# KiCad board boatcontrol.kicad_pcb (continued)
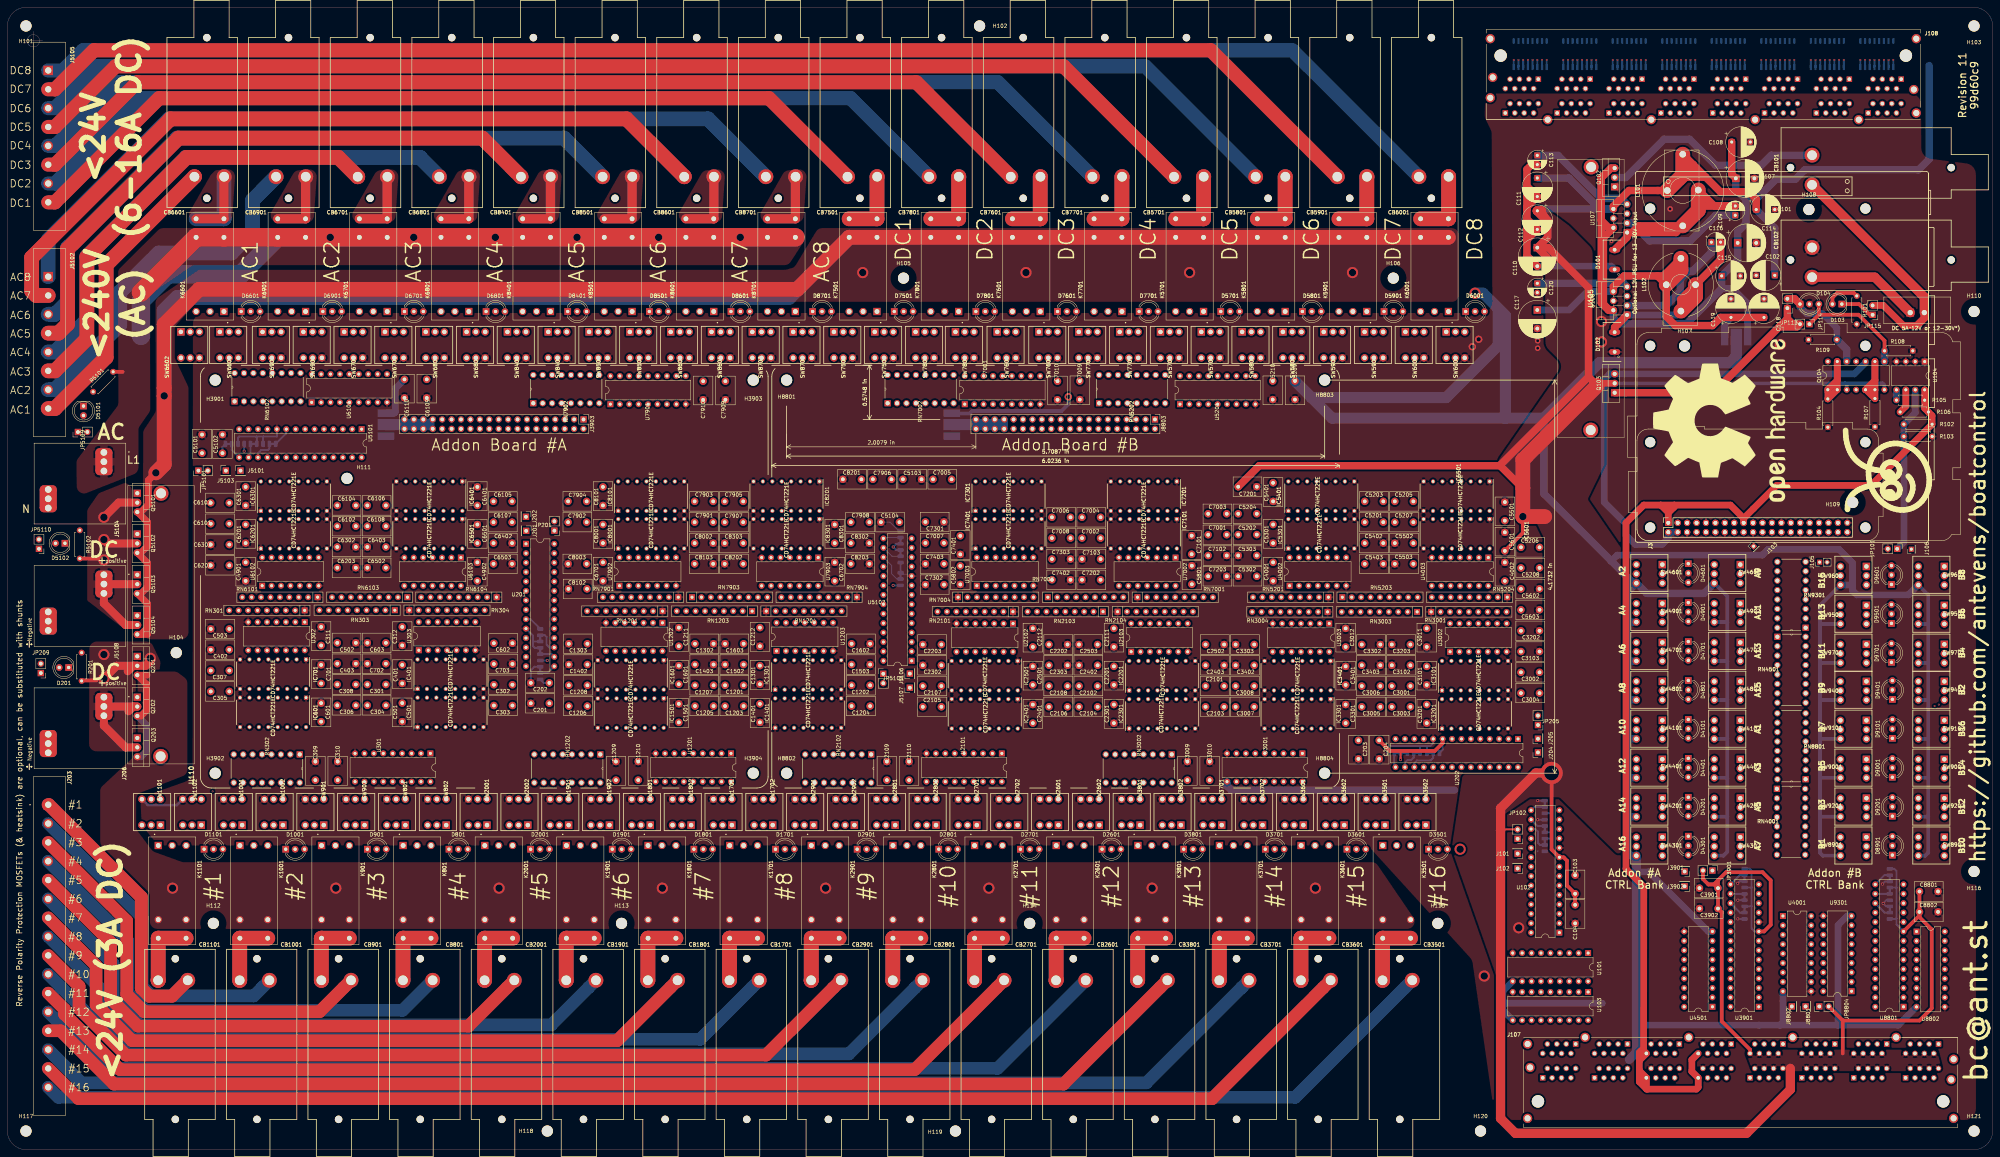
[diagram p0: board, top side]
## Nets (continued)
/Mixed 12V DC / 230V AC Common Bank/230V AC 10/16A Block/DIG_OFF_C2: RN6101.6 U5101.24 U6102.12
/Mixed 12V DC / 230V AC Common Bank/230V AC 10/16A Block/DIG_OFF_C3: RN6104.6 U5101.26 U6103.4
/Mixed 12V DC / 230V AC Common Bank/230V AC 10/16A Block/DIG_OFF_C4: RN6104.5 U5101.28 U6103.12
/Mixed 12V DC / 230V AC Common Bank/230V AC 10/16A Block/DIG_ON_C1: RN6101.9 U5101.21 U6102.1
/Mixed 12V DC / 230V AC Common Bank/230V AC 10/16A Block/DIG_ON_C2: RN6101.2 U5101.23 U6102.9
/Mixed 12V DC / 230V AC Common Bank/230V AC 10/16A Block/DIG_ON_C3: RN6104.2 U5101.25 U6103.1
/Mixed 12V DC / 230V AC Common Bank/230V AC 10/16A Block/DIG_ON_C4: RN6104.9 U5101.27 U6103.9
/Mixed 12V DC / 230V AC Common Bank/230V AC 10/16A Block/MultiVibrator10A1/MUX_OFF: IC6201.5 U6101.2
/Mixed 12V DC / 230V AC Common Bank/230V AC 10/16A Block/MultiVibrator10A1/MUX_ON: IC6201.13 U6101.1
/Mixed 12V DC / 230V AC Common Bank/230V AC 10/16A Block/MultiVibrator10A1/R1: C6101.1 IC6201.14 RN6103.9
/Mixed 12V DC / 230V AC Common Bank/230V AC 10/16A Block/MultiVibrator10A1/R2: C6102.1 IC6201.6 RN6103.8
/Mixed 12V DC / 230V AC Common Bank/230V AC 10/16A Block/MultiVibrator10A1/RC1: C6101.2 IC6201.15
/Mixed 12V DC / 230V AC Common Bank/230V AC 10/16A Block/MultiVibrator10A1/RC2: C6102.2 IC6201.7
/Mixed 12V DC / 230V AC Common Bank/230V AC 10/16A Block/MultiVibrator10A2/MUX_OFF: IC6301.5 U6101.4
/Mixed 12V DC / 230V AC Common Bank/230V AC 10/16A Block/MultiVibrator10A2/MUX_ON: IC6301.13 U6101.3
/Mixed 12V DC / 230V AC Common Bank/230V AC 10/16A Block/MultiVibrator10A2/R1: C6103.1 IC6301.14 RN6103.7
/Mixed 12V DC / 230V AC Common Bank/230V AC 10/16A Block/MultiVibrator10A2/R2: C6104.1 IC6301.6 RN6103.6
/Mixed 12V DC / 230V AC Common Bank/230V AC 10/16A Block/MultiVibrator10A2/RC1: C6103.2 IC6301.15
/Mixed 12V DC / 230V AC Common Bank/230V AC 10/16A Block/MultiVibrator10A2/RC2: C6104.2 IC6301.7
/Mixed 12V DC / 230V AC Common Bank/230V AC 10/16A Block/MultiVibrator16A1/MUX_OFF: IC6401.5 U6101.6
/Mixed 12V DC / 230V AC Common Bank/230V AC 10/16A Block/MultiVibrator16A1/MUX_ON: IC6401.13 U6101.5
/Mixed 12V DC / 230V AC Common Bank/230V AC 10/16A Block/MultiVibrator16A1/R1: C6105.1 IC6401.14 RN6103.5
/Mixed 12V DC / 230V AC Common Bank/230V AC 10/16A Block/MultiVibrator16A1/R2: C6106.1 IC6401.6 RN6103.4
/Mixed 12V DC / 230V AC Common Bank/230V AC 10/16A Block/MultiVibrator16A1/RC1: C6105.2 IC6401.15
/Mixed 12V DC / 230V AC Common Bank/230V AC 10/16A Block/MultiVibrator16A1/RC2: C6106.2 IC6401.7
/Mixed 12V DC / 230V AC Common Bank/230V AC 10/16A Block/MultiVibrator16A2/MUX_OFF: IC6501.5 U6101.8
/Mixed 12V DC / 230V AC Common Bank/230V AC 10/16A Block/MultiVibrator16A2/MUX_ON: IC6501.13 U6101.7
/Mixed 12V DC / 230V AC Common Bank/230V AC 10/16A Block/MultiVibrator16A2/R1: C6107.1 IC6501.14 RN6103.2
/Mixed 12V DC / 230V AC Common Bank/230V AC 10/16A Block/MultiVibrator16A2/R2: C6108.1 IC6501.6 RN6103.3
/Mixed 12V DC / 230V AC Common Bank/230V AC 10/16A Block/MultiVibrator16A2/RC1: C6107.2 IC6501.15
/Mixed 12V DC / 230V AC Common Bank/230V AC 10/16A Block/MultiVibrator16A2/RC2: C6108.2 IC6501.7
/Mixed 12V DC / 230V AC Common Bank/230V AC 10/16A Block/OUT_C1: CB6801.P2 J5102.5
/Mixed 12V DC / 230V AC Common Bank/230V AC 10/16A Block/OUT_C2: CB6701.P2 J5102.6
/Mixed 12V DC / 230V AC Common Bank/230V AC 10/16A Block/OUT_C3: CB6901.P2 J5102.7
/Mixed 12V DC / 230V AC Common Bank/230V AC 10/16A Block/OUT_C4: CB6601.P2 J5102.8
/RPi3.3V: J3.1 J3.17 J107.C_8 J107.D_8 J107.K_1 J107.L_1 R102.1 R105.1 R106.1 U104.8
/RPi5V: J3.2 J3.4 Q103.3 Q104.10
/RPiBCM0_ID_SD: J3.27 J107.C_3 R106.2 U104.6
/RPIBCM1_ID_SC: J3.28 J107.C_2 R105.2 U104.5
/RPiBCM4_GPCLK0: J3.7 J107.K_5
/RPiBCM5: J3.29 J107.C_4
/RPiBCM6: J3.31 J107.C_6
/RPiBCM9_MISO: J3.21 J107.D_6
/RPiBCM10_MOSI: J3.19 J107.D_4
/RPiBCM11_SCLK: J3.23 J107.C_1
/RPiBCM12: J3.32 J107.C_5
/RPiBCM13: J3.33 J107.L_8
/RPiBCM14_TXD: J3.8 J107.K_6
/RPiBCM15_RXD: J3.10 J107.K_8
/RPiBCM16: J3.36 J107.L_7
/RPiBCM17: J3.11 J107.K_7
/RPiBCM19_MISO: J3.35 J107.L_6
/RPIBCM20_MOSI: J3.38 J107.L_5
/RPiBCM21_SCLK: J3.40 J107.L_4
/RPiBCM22: J3.15 J107.D_3
/RPiBCM23: J3.16 J107.D_2
/RPiBCM25: J3.22 J107.D_5
/RPiBCM26: J3.37 J107.L_3
/RPiBCM27_PCM_D: J3.13 J107.D_1
AC: J5104.1_1 J5104.1_2 J5104.1_3 K6601.3 K6601.6 K6701.3 K6701.6 K6801.3 K6801.6 K6901.3 K6901.6 K8401.3 K8401.6 K8501.3 K8501.6 K8601.3 K8601.6 K8701.3 K8701.6 R5101.2
SCK: J3.5 J107.K_4 U102.12 U201.12 U202.12 U3901.12 U5101.12 U5102.12 U8801.12
SDA: J3.3 J107.K_3 U102.13 U201.13 U202.13 U3901.13 U5101.13 U5102.13 U8801.13
Net-(C109-Pad1): C109.1 U107.3
Net-(C109-Pad2): C109.2 D101.1 L101.1 U107.1
Net-(C110-Pad2): C110.2 C111.2 C112.2 C113.2 D101.2
Net-(C113-Pad1): C113.1 U107.7
Net-(C116-Pad1): C116.1 U108.3
Net-(C116-Pad2): C116.2 D102.1 L102.1 U108.1
Net-(C117-Pad1): C117.1 C118.1 C119.1 JP110.1 L102.2 U108.6
Net-(C120-Pad1): C120.1 U108.7
Net-(CB101-PadP2): CB101.P2 Q102.2
Net-(D103-Pad1): D103.1 JP115.1
Net-(D103-Pad2): D103.2 R101.1
Net-(D104-Pad1): D104.1 JP113.2 Q104.12 R109.2
Net-(D104-Pad3): D104.3 JP114.1 Q104.8 R108.2
Net-(D201-Pad1): D201.1 R201.1
Net-(D201-Pad2): D201.2 JP209.2
Net-(D5101-Pad1): D5101.1 R5101.1
Net-(D5101-Pad2): D5101.2 JP5109.2
Net-(D5102-Pad1): D5102.1 R5102.1
Net-(D5102-Pad2): D5102.2 JP5110.2
Net-(IC401-Pad2): IC401.2 U302.3
Net-(IC401-Pad10): IC401.10 U302.6
Net-(IC401-Pad11): IC401.4 IC401.11
Net-(IC401-Pad12): IC401.3 IC401.12
Net-(IC501-Pad2): IC501.2 U302.8
Net-(IC501-Pad10): IC501.10 U302.11
Net-(IC501-Pad11): IC501.4 IC501.11
Net-(IC501-Pad12): IC501.3 IC501.12
Net-(IC601-Pad2): IC601.2 U303.3
Net-(IC601-Pad10): IC601.10 U303.6
Net-(IC601-Pad11): IC601.4 IC601.11
Net-(IC601-Pad12): IC601.3 IC601.12
Net-(IC701-Pad2): IC701.2 U303.8
Net-(IC701-Pad10): IC701.10 U303.11
Net-(IC701-Pad11): IC701.4 IC701.11
Net-(IC701-Pad12): IC701.3 IC701.12
Net-(IC1301-Pad2): IC1301.2 U1202.3
Net-(IC1301-Pad10): IC1301.10 U1202.6
Net-(IC1301-Pad11): IC1301.4 IC1301.11
Net-(IC1301-Pad12): IC1301.3 IC1301.12
Net-(IC1401-Pad2): IC1401.2 U1202.8
Net-(IC1401-Pad10): IC1401.10 U1202.11
Net-(IC1401-Pad11): IC1401.4 IC1401.11
Net-(IC1401-Pad12): IC1401.3 IC1401.12
Net-(IC1501-Pad2): IC1501.2 U1203.3
Net-(IC1501-Pad10): IC1501.10 U1203.6
Net-(IC1501-Pad11): IC1501.4 IC1501.11
Net-(IC1501-Pad12): IC1501.3 IC1501.12
Net-(IC1601-Pad2): IC1601.2 U1203.8
Net-(IC1601-Pad10): IC1601.10 U1203.11
Net-(IC1601-Pad11): IC1601.4 IC1601.11
Net-(IC1601-Pad12): IC1601.3 IC1601.12
Net-(IC2201-Pad2): IC2201.2 U2102.3
Net-(IC2201-Pad10): IC2201.10 U2102.6
Net-(IC2201-Pad11): IC2201.4 IC2201.11
Net-(IC2201-Pad12): IC2201.3 IC2201.12
Net-(IC2301-Pad2): IC2301.2 U2102.8
Net-(IC2301-Pad10): IC2301.10 U2102.11
Net-(IC2301-Pad11): IC2301.4 IC2301.11
Net-(IC2301-Pad12): IC2301.3 IC2301.12
Net-(IC2401-Pad2): IC2401.2 U2103.3
Net-(IC2401-Pad10): IC2401.10 U2103.6
Net-(IC2401-Pad11): IC2401.4 IC2401.11
Net-(IC2401-Pad12): IC2401.3 IC2401.12
Net-(IC2501-Pad2): IC2501.2 U2103.8
Net-(IC2501-Pad10): IC2501.10 U2103.11
Net-(IC2501-Pad11): IC2501.4 IC2501.11
Net-(IC2501-Pad12): IC2501.3 IC2501.12
Net-(IC3101-Pad2): IC3101.2 U3002.3
Net-(IC3101-Pad10): IC3101.10 U3002.6
Net-(IC3101-Pad11): IC3101.4 IC3101.11
Net-(IC3101-Pad12): IC3101.3 IC3101.12
Net-(IC3201-Pad2): IC3201.2 U3002.8
Net-(IC3201-Pad10): IC3201.10 U3002.11
Net-(IC3201-Pad11): IC3201.4 IC3201.11
Net-(IC3201-Pad12): IC3201.3 IC3201.12
Net-(IC3301-Pad2): IC3301.2 U3003.3
Net-(IC3301-Pad10): IC3301.10 U3003.6
Net-(IC3301-Pad11): IC3301.4 IC3301.11
Net-(IC3301-Pad12): IC3301.3 IC3301.12
Net-(IC3401-Pad2): IC3401.2 U3003.8
Net-(IC3401-Pad10): IC3401.10 U3003.11
Net-(IC3401-Pad11): IC3401.4 IC3401.11
Net-(IC3401-Pad12): IC3401.3 IC3401.12
Net-(IC5301-Pad2): IC5301.2 U4002.3
Net-(IC5301-Pad10): IC5301.10 U4002.6
Net-(IC5301-Pad11): IC5301.4 IC5301.11
Net-(IC5301-Pad12): IC5301.3 IC5301.12
Net-(IC5401-Pad2): IC5401.2 U4002.8
Net-(IC5401-Pad10): IC5401.10 U4002.11
Net-(IC5401-Pad11): IC5401.4 IC5401.11
Net-(IC5401-Pad12): IC5401.3 IC5401.12
Net-(IC5501-Pad2): IC5501.2 U4003.3
Net-(IC5501-Pad10): IC5501.10 U4003.6
Net-(IC5501-Pad11): IC5501.4 IC5501.11
Net-(IC5501-Pad12): IC5501.3 IC5501.12
Net-(IC5601-Pad2): IC5601.2 U4003.8
Net-(IC5601-Pad10): IC5601.10 U4003.11
Net-(IC5601-Pad11): IC5601.4 IC5601.11
Net-(IC5601-Pad12): IC5601.3 IC5601.12
Net-(IC6201-Pad2): IC6201.2 U6102.3
Net-(IC6201-Pad10): IC6201.10 U6102.6
Net-(IC6201-Pad11): IC6201.4 IC6201.11
Net-(IC6201-Pad12): IC6201.3 IC6201.12
Net-(IC6301-Pad2): IC6301.2 U6102.8
Net-(IC6301-Pad10): IC6301.10 U6102.11
Net-(IC6301-Pad11): IC6301.4 IC6301.11
Net-(IC6301-Pad12): IC6301.3 IC6301.12
Net-(IC6401-Pad2): IC6401.2 U6103.3
Net-(IC6401-Pad10): IC6401.10 U6103.6
Net-(IC6401-Pad11): IC6401.4 IC6401.11
Net-(IC6401-Pad12): IC6401.3 IC6401.12
Net-(IC6501-Pad2): IC6501.2 U6103.8
Net-(IC6501-Pad10): IC6501.10 U6103.11
Net-(IC6501-Pad11): IC6501.4 IC6501.11
Net-(IC6501-Pad12): IC6501.3 IC6501.12
Net-(IC7101-Pad2): IC7101.2 U7002.3
Net-(IC7101-Pad10): IC7101.10 U7002.6
Net-(IC7101-Pad11): IC7101.4 IC7101.11
Net-(IC7101-Pad12): IC7101.3 IC7101.12
Net-(IC7201-Pad2): IC7201.2 U7002.8
Net-(IC7201-Pad10): IC7201.10 U7002.11
Net-(IC7201-Pad11): IC7201.4 IC7201.11
Net-(IC7201-Pad12): IC7201.3 IC7201.12
Net-(IC7301-Pad2): IC7301.2 U7003.3
Net-(IC7301-Pad10): IC7301.10 U7003.6
Net-(IC7301-Pad11): IC7301.4 IC7301.11
Net-(IC7301-Pad12): IC7301.3 IC7301.12
Net-(IC7401-Pad2): IC7401.2 U7003.8
Net-(IC7401-Pad10): IC7401.10 U7003.11
Net-(IC7401-Pad11): IC7401.4 IC7401.11
Net-(IC7401-Pad12): IC7401.3 IC7401.12
Net-(IC8001-Pad2): IC8001.2 U7902.3
Net-(IC8001-Pad10): IC8001.10 U7902.6
Net-(IC8001-Pad11): IC8001.4 IC8001.11
Net-(IC8001-Pad12): IC8001.3 IC8001.12
Net-(IC8101-Pad2): IC8101.2 U7902.8
Net-(IC8101-Pad10): IC8101.10 U7902.11
Net-(IC8101-Pad11): IC8101.4 IC8101.11
Net-(IC8101-Pad12): IC8101.3 IC8101.12
Net-(IC8201-Pad2): IC8201.2 U7903.3
Net-(IC8201-Pad10): IC8201.10 U7903.6
Net-(IC8201-Pad11): IC8201.4 IC8201.11
Net-(IC8201-Pad12): IC8201.3 IC8201.12
Net-(IC8301-Pad2): IC8301.2 U7903.8
Net-(IC8301-Pad10): IC8301.10 U7903.11
Net-(IC8301-Pad11): IC8301.4 IC8301.11
Net-(IC8301-Pad12): IC8301.3 IC8301.12
Net-(J101-Pad1): J101.1 U102.19
Net-(J102-Pad1): J102.1 U102.20
Net-(J103-Pad1): J3.12 J103.1
Net-(J105-Pad1): J3.24 J105.1
Net-(J105-Pad2): J3.26 J105.2
Net-(J106-Pad1): J3.18 J106.1
Net-(J107-PadA_1): J107.A_1 U101.14
Net-(J107-PadA_3): J107.A_3 U101.13
Net-(J107-PadA_5): J107.A_5 U101.12
Net-(J107-PadA_7): J107.A_7 U101.11
Net-(J107-PadB_1): J107.B_1 U101.18
Net-(J107-PadB_3): J107.B_3 U101.17
Net-(J107-PadB_5): J107.B_5 U101.16
Net-(J107-PadB_7): J107.B_7 U101.15
Net-(J107-PadI_1): J107.I_1 U103.11
Net-(J107-PadI_3): J107.I_3 U103.12
Net-(J107-PadI_5): J107.I_5 U103.13
Net-(J107-PadI_7): J107.I_7 U103.14
Net-(J107-PadJ_1): J107.J_1 U103.15
Net-(J107-PadJ_3): J107.J_3 U103.16
Net-(J107-PadJ_5): J107.J_5 U103.17
Net-(J107-PadJ_7): J107.J_7 U103.18
Net-(J108-PadA_1): J108.A_1 RN108.8
Net-(J108-PadA_3): J108.A_3 RN108.7
Net-(J108-PadA_5): J108.A_5 RN108.6
Net-(J108-PadA_7): J108.A_7 RN108.5
Net-(J108-PadB_1): J108.B_1 RN107.8
Net-(J108-PadB_3): J108.B_3 RN107.7
Net-(J108-PadB_5): J108.B_5 RN107.6
Net-(J108-PadB_7): J108.B_7 RN107.5
Net-(J108-PadC_1): J108.C_1 RN106.8
Net-(J108-PadC_3): J108.C_3 RN106.7
Net-(J108-PadC_5): J108.C_5 RN106.6
Net-(J108-PadC_7): J108.C_7 RN106.5
Net-(J108-PadD_1): J108.D_1 RN105.8
Net-(J108-PadD_3): J108.D_3 RN105.7
Net-(J108-PadD_5): J108.D_5 RN105.6
Net-(J108-PadD_7): J108.D_7 RN105.5
Net-(J108-PadE_1): J108.E_1 RN104.8
Net-(J108-PadE_3): J108.E_3 RN104.7
Net-(J108-PadE_5): J108.E_5 RN104.6
Net-(J108-PadE_7): J108.E_7 RN104.5
Net-(J108-PadF_1): J108.F_1 RN103.8
Net-(J108-PadF_3): J108.F_3 RN103.7
Net-(J108-PadF_5): J108.F_5 RN103.6
Net-(J108-PadF_7): J108.F_7 RN103.5
Net-(J108-PadG_1): J108.G_1 RN102.8
Net-(J108-PadG_3): J108.G_3 RN102.7
Net-(J108-PadG_5): J108.G_5 RN102.6
Net-(J108-PadG_7): J108.G_7 RN102.5
Net-(J108-PadH_1): J108.H_1 RN101.8
Net-(J108-PadH_3): J108.H_3 RN101.7
Net-(J108-PadH_5): J108.H_5 RN101.6
Net-(J108-PadH_7): J108.H_7 RN101.5
Net-(J201-Pad1): J201.1 U201.19
Net-(J202-Pad1): J202.1 U201.20
Net-(J204-Pad1): J204.1 U202.19
Net-(J205-Pad1): J205.1 U202.20
Net-(J206-Pad2_1): J206.2_1 J206.2_2 J206.2_3 JP209.1 Q201.1 Q202.1 Q203.1
Net-(J3903-Pad33): J3903.33 J3903.34 J3903.35 J3903.36 J3903.37 J3903.38 J3903.39 J3903.40 JP8701.2
Net-(J5101-Pad1): J5101.1 U5101.19
Net-(J5103-Pad1): J5103.1 U5101.20
Net-(J5104-Pad2_1): J5104.2_1 J5104.2_2 J5104.2_3 JP5109.1
Net-(J5106-Pad1): J5106.1 U5102.19
Net-(J5107-Pad1): J5107.1 U5102.20
Net-(J5108-Pad2_1): J5108.2_1 J5108.2_2 J5108.2_3 JP5110.1 Q5101.1 Q5102.1 Q5103.1 Q5104.1
Net-(J8803-Pad33): J8803.33 J8803.34 J8803.35 J8803.36 J8803.37 J8803.38 J8803.39 J8803.40 JP210.2
Net-(JP101-Pad1): JP101.1 R102.2 R103.1 U104.7
Net-(JP102-Pad1): JP102.1 U102.18
Net-(JP103-Pad2): JP103.2 U102.17
Net-(JP104-Pad2): JP104.2 U102.16
Net-(JP105-Pad2): JP105.2 U102.15
Net-(JP113-Pad1): JP113.1 JP114.2 Q103.1
Net-(JP201-Pad1): JP201.1 U201.18
Net-(JP202-Pad2): JP202.2 U201.17
Net-(JP203-Pad2): JP203.2 U201.16
Net-(JP204-Pad2): JP204.2 U201.15
Net-(JP205-Pad1): JP205.1 U202.18
Net-(JP206-Pad2): JP206.2 U202.17
Net-(JP207-Pad2): JP207.2 U202.16
Net-(JP208-Pad2): JP208.2 U202.15
Net-(JP5101-Pad1): JP5101.1 U5101.18
Net-(JP5102-Pad2): JP5102.2 U5101.17
Net-(JP5103-Pad2): JP5103.2 U5101.16
Net-(JP5104-Pad2): JP5104.2 U5101.15
Net-(JP5105-Pad1): JP5105.1 U5102.18
Net-(JP5106-Pad2): JP5106.2 U5102.17
Net-(JP5107-Pad2): JP5107.2 U5102.16
Net-(JP5108-Pad2): JP5108.2 U5102.15
Net-(Q104-Pad1): Q104.1 Q104.2 Q104.13 R104.2
Net-(Q104-Pad5): Q104.5 Q104.6 Q104.9 R107.2
Net-(U101-Pad1): U101.1 U102.1
Net-(U101-Pad2): U101.2 U102.2
Net-(U101-Pad3): U101.3 U102.3
Net-(U101-Pad4): U101.4 U102.4
Net-(U101-Pad5): U101.5 U102.5
Net-(U101-Pad6): U101.6 U102.6
Net-(U101-Pad7): U101.7 U102.7
Net-(U101-Pad8): U101.8 U102.8
Net-(U102-Pad21): U102.21 U103.1
Net-(U102-Pad22): U102.22 U103.2
Net-(U102-Pad23): U102.23 U103.3
Net-(U102-Pad24): U102.24 U103.4
Net-(U102-Pad25): U102.25 U103.5
Net-(U102-Pad26): U102.26 U103.6
Net-(U102-Pad27): U102.27 U103.7
Net-(U102-Pad28): U102.28 U103.8

Pads without a net: J107 S1 S2 S3 S4 S5 S6 S7 S8 S9 S10; J108 S1 S2 S3 S4 S5 S6 S7 S8 S9 S10; Q104 4 11 14; U102 11 14; U105 1 2; U107 5; U108 5; U110 1 2; U201 11 14; U202 11 14; U3901 11 14; U5101 11 14; U5102 11 14; U8801 11 14

## Via types
v1: diameter 0.8, hole 0.5, Top to Bottom, 12 vias
v2: diameter 3, hole 2, Top to Bottom, 34 vias
v3: diameter 6, hole 4, Top to Bottom, 1 via
v4: diameter 0.5, hole 0.3, In1.Cu to In2.Cu, 605 vias
v5: diameter 1, hole 0.6, Top to Bottom, 1 via
v6: diameter 1.5, hole 0.8, Top to Bottom, 3 vias
v7: diameter 2, hole 1.2, Top to Bottom, 3 vias
v8: diameter 0.5, hole 0.3, Top to Bottom, 67 vias
v9: diameter 0.8, hole 0.5, In1.Cu to In2.Cu, 1 via

## Routing (per net, layer and track width the routed paths; a pad name or vN(x,y) marks a point on that pad's centre or on a via; arc(x,y) is an arc through that point)
12V_DC_C1_OFF: length 565.5
  In1.Cu w0.25: RN301.5 69.94,142.28 U302.5 ; 96.65,190.4 96.65,190.37 101.32,185.7 ; J108.P_4 406.87,284.21 404.25,284.21 400.36,280.32 400.36,217.66 391.82,209.12 363.14,209.12 352.84,198.82 322.57,198.82 311.88,188.13 275.22,188.13 272.96,190.4 201.59,190.4 200.46,189.27 133.6,189.27 130.03,185.7 101.32,185.7 ; C403.2 88.9,133.95 85.2,137.65 64.95,137.65 60.55,142.05 58.86,142.05 48.45,152.46 48.45,187.23 51.14,189.92 60.68,189.92 62.25,191.49 95.53,191.49 101.32,185.7
  In2.Cu w0.25: C403.2 88.9,133.95 85.05,137.8 74.42,137.8 U302.5
12V_DC_C1_ON: length 531.7
  In1.Cu w0.25: RN301.3 77.59,142.83 U302.2 ; C402.2 58.36,134.8 47.45,145.71 47.45,187.64 50.73,190.92 60.27,190.92 61.84,192.49 95.97,192.49 101.76,186.7 129.61,186.7 133.19,190.27 200.05,190.27 201.17,191.4 273.37,191.4 275.64,189.13 311.46,189.13 322.15,199.82 352.42,199.82 362.72,210.12 391.41,210.12 399.36,218.07 399.36,280.73 403.69,285.06 J108.P_8
  In2.Cu w0.25: C402.2 58.25,136.35 58.25,141.8 61.05,144.6 61.05,145.87 61.76,146.58 73.84,146.58 RN301.3
12V_DC_C2_OFF: length 520.7
  In1.Cu w0.25: U302.13 75.07,137.15 63.05,137.15 C503.2 47.95,152.25 47.95,187.43 50.94,190.42 60.48,190.42 62.05,191.99 95.77,191.99 101.53,186.23 101.53,186.2 129.82,186.2 133.4,189.77 200.25,189.77 201.38,190.9 273.17,190.9 275.43,188.63 311.67,188.63 322.36,199.32 352.63,199.32 362.93,209.62 391.62,209.62 399.86,217.86 399.86,280.52 404.04,284.71 404.83,284.71 J108.P_6
  In2.Cu w0.25: C503.2 62.32,142.92 RN301.8
12V_DC_C2_ON: length 563.5
  In1.Cu w0.25: C502.2 87.4,138.15 65.16,138.15 60.76,142.55 59.06,142.55 48.95,152.66 48.95,187.02 51.35,189.42 60.89,189.42 60.97,189.51 60.98,189.51 62.46,190.99 95.32,190.99 101.11,185.2 130.24,185.2 133.81,188.77 200.67,188.77 201.79,189.9 272.75,189.9 275.02,187.63 312.09,187.63 312.1,187.65 312.1,187.65 322.78,198.32 353.05,198.32 363.35,208.62 392.03,208.62 400.86,217.45 400.86,280.11 404.45,283.7 406.54,283.7 406.54,283.71 408.91,283.71 J108.P_2
  In2.Cu w0.25: RN301.6 68.7,144.1 ; 68.7,144.1 69.86,144.1 71.25,142.71 71.25,141.68 74.63,138.3 87.25,138.3 C502.2 ; 68.7,144.1 68.7,135.9 U302.10
12V_DC_C3_OFF: length 443
  In1.Cu w0.25: 405.36,267.17 405.36,267.04 ; 405.36,267.04 405.36,215.58 393.9,204.12 365.21,204.12 354.91,193.82 324.64,193.82 313.95,183.13 273.15,183.13 270.89,185.4 203.66,185.4 203.01,184.75 203.01,184.75 202.51,184.25 139.84,184.25 139.84,184.24 133,177.4 133,145.77 126.28,139.05 v4(119.75,139.05) 104.4,139.05 C603.2 ; 405.36,267.04 405.36,269.1 411.86,275.6 416.08,275.6 418.93,278.45 J108.G_2
  In2.Cu w0.25: U303.5 119.75,135.93 119.75,144.16 RN304.5
12V_DC_C3_ON: length 438.9
  In1.Cu w0.25: 406.36,266.75 406.36,266.66 ; 406.36,266.66 406.36,268.67 412.28,274.6 419.46,274.6 424.01,279.15 J108.G_6 ; 406.36,266.66 406.36,215.17 394.31,203.12 365.62,203.12 355.32,192.82 325.05,192.82 314.36,182.13 272.74,182.13 270.47,184.4 204.08,184.4 202.93,183.25 140.26,183.25 134,176.98 134,139.45 C602.2 130.1,137.55 v4(114.65,137.55)
  In2.Cu w0.25: RN304.3 114.65,144.18 v4(114.65,137.55) 114.65,135.89 U303.2
12V_DC_C4_OFF: length 449.9
  In1.Cu w0.25: U303.13 113.41,141.14 114.5,140.05 118.69,140.05 119.75,141.11 119.75,144.2 RN304.6 ; C703.2 134.5,134.35 134.5,176.77 140.47,182.75 203.14,182.75 204.29,183.9 270.26,183.9 272.52,181.63 314.57,181.63 325.26,192.32 355.53,192.32 365.83,202.62 394.52,202.62 406.86,214.96 406.86,266.36 ; J108.G_8 426.55,279.15 421.5,274.1 412.49,274.1 406.86,268.47 406.86,266.36 ; 406.86,266.36 406.86,266.54
  In2.Cu w0.25: RN304.6 122.3,144.15 122.3,141.8 131.1,133 C703.2
12V_DC_C4_ON: length 453.4
  In1.Cu w0.25: C702.2 103.65,132.68 103.65,137.51 104.56,138.42 128.52,138.42 v4(131.55,141.45) 133.5,143.4 133.5,177.19 140.06,183.75 202.72,183.75 203.87,184.9 270.68,184.9 272.95,182.63 314.16,182.63 324.85,193.32 355.12,193.32 365.42,203.62 394.1,203.62 405.86,215.38 405.86,266.64 ; 405.86,266.64 405.86,266.96 ; 405.86,266.64 405.86,268.89 412.06,275.1 417.42,275.1 421.47,279.15 J108.G_4 ; U303.10 122.56,143.8 124.1,143.8 124.95,144.65 125.28,144.65 RN304.8
  In2.Cu w0.25: v4(131.55,141.45) 130.08,141.45 RN304.8
12V_DC_C5_OFF: length 428.7
  In1.Cu w0.25: C1303.2 v4(159.35,139.45) ; U1202.5 166.39,142.07 RN1201.5 ; 407.86,265.76 407.86,268.05 412.91,273.1 421.91,273.1 427.55,278.74 427.55,280.71 428.16,281.33 428.16,281.93 431.23,285 433.07,285 J108.N_6 ; 407.86,265.76 407.86,266.12 ; 407.86,265.76 407.86,214.55 394.93,201.62 366.25,201.62 355.95,191.32 325.68,191.32 318.1,183.75 318.1,183.18 317.73,182.8 v4(316.68,182.8)
  In2.Cu w0.25: C1303.2 153.2,139.5 153.2,180.39 ; 153.2,180.39 153.2,180.35 153.2,180.39 ; 153.2,180.39 167.03,194.22 226.61,194.22 229.78,191.05 242.05,191.05 248.98,184.12 273.33,184.12 274.32,183.13 315.99,183.13 316.32,182.8 v4(316.68,182.8) ; U1202.5 163.77,139.45 v4(159.35,139.45)
12V_DC_C5_ON: length 459.8
  In1.Cu w0.25: RN1201.3 173.99,142.68 U1202.2 175.49,140.55 178.7,140.55 180.05,139.2 182.5,139.2 C1302.2 ; J108.N_4 436.72,285.06 436.15,284.5 431.44,284.5 428.66,281.72 428.66,281.12 428.05,280.51 428.05,278.53 422.12,272.6 413.11,272.6 408.36,267.84 408.36,214.34 395.14,201.12 366.45,201.12 356.15,190.82 325.88,190.82 318.6,183.54 318.6,182.87 v4(317.86,182.12)
  In2.Cu w0.25: C1302.2 183.38,138.32 158.28,138.32 153.7,142.9 153.7,180.19 167.24,193.72 226.4,193.72 229.58,190.55 241.84,190.55 248.77,183.62 273.12,183.62 274.11,182.63 304.64,182.63 305.15,182.12 v4(317.86,182.12)
12V_DC_C6_OFF: length 469.2
  In1.Cu w0.25: U1202.13 175.22,133.2 182.9,133.2 C1403.2 ; v4(317.7,181.28) 317.99,181.28 322.85,186.13 322.85,187.08 326.09,190.32 356.36,190.32 366.66,200.62 395.35,200.62 408.86,214.13 408.86,267.63 413.32,272.1 422.33,272.1 428.55,278.32 428.55,280.3 429.16,280.91 429.16,281.51 431.65,284 437.15,284 J108.N_2
  In2.Cu w0.25: C1403.2 186.9,132.4 186.9,137.1 185.18,138.82 158.48,138.82 156.03,141.28 ; 156.03,141.28 156.03,141.33 158.77,144.07 RN1201.8 ; 156.03,141.28 154.2,143.11 154.2,179.98 167.45,193.22 226.2,193.22 229.37,190.05 241.63,190.05 248.56,183.12 272.92,183.12 273.91,182.13 304.43,182.13 304.96,181.61 316.12,181.61 316.46,181.28 v4(317.7,181.28)
12V_DC_C6_ON: length 439.9
  In1.Cu w0.25: RN1201.6 165.1,143.95 165.1,141.05 166.37,139.78 U1202.10 165.14,133.2 158.7,133.2 C1402.2 ; 407.36,266.14 407.36,268.26 412.7,273.6 412.7,273.6 421.71,273.6 427.05,278.94 427.05,280.92 427.66,281.54 427.66,282.13 J108.N_8 ; 407.36,266.14 407.36,266.33 ; 407.36,266.14 407.36,214.76 394.72,202.12 366.04,202.12 355.74,191.82 325.47,191.82 317.48,183.83 v4(317.48,183.47)
  In2.Cu w0.25: C1402.2 152.7,134.4 152.7,180.6 166.82,194.72 226.82,194.72 229.99,191.55 242.25,191.55 249.18,184.62 273.54,184.62 274.53,183.63 317.32,183.63 v4(317.48,183.47)
12V_DC_C7_OFF: length 361.6
  In1.Cu w0.25: U1203.5 219.13,136.15 223.56,136.15 227.5,132.21 C1503.2 229.95,133.25 229.95,138.14 231.85,140.04 231.85,150.67 230.68,151.85 230.68,163.95 232.72,166 237.19,166 239.02,167.83 239.02,170.02 241.97,172.97 244.26,172.97 245.02,173.73 320.35,173.73 330.94,184.32 358.86,184.32 369.16,194.62 397.83,194.62 417.18,213.97 417.18,251.81 429.19,263.82 429.19,268.19 434.9,273.9 444.39,273.9 447.91,277.42 451.09,277.42 452.09,278.42 453.76,278.42 454.5,279.15 J108.E_8
  In2.Cu w0.25: U1203.5 216.15,135.73 216.15,143.71 RN1204.5
12V_DC_C7_ON: length 379.9
  In1.Cu w0.25: C1502.2 200.55,130.8 202.95,133.2 208.56,133.2 U1203.2 211.18,135.82 218.09,135.82 218.92,136.65 223.15,136.65 230.85,144.35 230.85,150.26 229.68,151.43 229.68,164.37 232.3,167 236.78,167 238.02,168.24 238.02,170.44 241.56,173.97 243.85,173.97 244.6,174.73 319.93,174.73 330.53,185.32 358.45,185.32 368.75,195.62 397.42,195.62 416.18,214.38 416.18,258.86 432.21,274.9 443.98,274.9 447.5,278.42 448.68,278.42 449.42,279.15 J108.E_4
  In2.Cu w0.25: RN1204.3 208.18,146.6 206.7,146.6 205.75,145.65 205.75,143.8 204.25,142.3 202.41,142.3 199.78,139.67 199.78,132.18 C1502.2
12V_DC_C8_OFF: length 389.5
  In1.Cu w0.25: RN1204.6 215.9,143.9 211.64,143.9 U1203.13 ; J108.E_2 446.88,278.51 443.77,275.4 432.01,275.4 415.68,259.07 415.68,214.59 397.21,196.12 368.54,196.12 358.24,185.82 330.32,185.82 319.72,175.23 244.39,175.23 243.64,174.47 241.35,174.47 237.52,170.65 237.52,168.45 236.57,167.5 232.09,167.5 229.18,164.58 229.18,151.22 230.35,150.05 230.35,144.56 222.94,137.15 218.71,137.15 217.88,136.32 206.8,136.32 204.18,133.7 201.1,133.7 C1603.2
  In2.Cu w0.25: C1603.2 198.4,139 202.45,143.05 202.45,145.43 203.4,146.38 205.77,146.38 206.49,147.1 215.3,147.1 RN1204.6
12V_DC_C8_ON: length 346.7
  In1.Cu w0.25: U1203.10 218.96,143.6 220.68,143.6 RN1204.8 ; C1602.2 231.35,140.25 231.35,150.46 230.18,151.64 230.18,164.16 232.51,166.5 236.99,166.5 238.52,168.03 238.52,170.23 241.77,173.47 244.05,173.47 244.81,174.23 320.14,174.23 330.73,184.82 358.65,184.82 368.95,195.12 397.62,195.12 416.68,214.18 416.68,258.65 432.42,274.4 444.19,274.4 447.7,277.92 450.88,277.92 451.96,279 J108.E_6
  In2.Cu w0.25: RN1204.8 227.5,139.98 C1602.2
12V_DC_C9_OFF: length 339.2
  In1.Cu w0.25: v4(260.85,138.45) U2102.5 260.83,141.88 RN2101.5 ; C2203.2 248.9,136.2 245.05,140.05 245.05,147.8 248.93,151.68 248.93,165.68 250.8,167.55 252.74,167.55 254.14,168.95 315.65,168.95 ; 315.65,168.95 316.27,168.95 331.15,183.82 359.07,183.82 369.37,194.12 398.04,194.12 417.68,213.76 417.68,251.6 429.69,263.61 429.69,267.98 435.11,273.4 444.6,273.4 448.12,276.92 451.29,276.92 452.29,277.92 453.97,277.92 455.61,279.56 455.61,282.15 J108.L_8 ; 315.65,168.95 315.88,168.95
  In2.Cu w0.25: C2203.2 254.58,136.2 256.83,138.45 v4(260.85,138.45)
12V_DC_C9_ON: length 369.1
  In1.Cu w0.25: RN2101.3 268.47,142.48 U2102.2 268.47,140.72 267.51,139.75 v4(267.51,136.11) 267.51,135.91 256.22,135.91 254.63,137.5 253.85,137.5 252.77,138.58 250.97,138.58 249.63,139.92 247.3,139.92 246.55,140.67 246.55,147.18 250.43,151.05 250.43,165.05 251.42,166.05 253.36,166.05 254.76,167.45 316.89,167.45 331.77,182.32 359.69,182.32 369.99,192.62 398.66,192.62 419.18,213.14 419.18,250.96 431.19,262.97 431.19,267.36 435.73,271.9 445.22,271.9 448.74,275.42 451.92,275.42 452.92,276.42 454.59,276.42 457.11,278.94 457.11,281.53 459.58,284 465.08,284 J108.L_2
  In2.Cu w0.25: v4(267.51,136.11) 267.99,136.59 273.89,136.59 274.47,136.01 274.47,134.68 275.48,133.67 277.22,133.67 278.74,135.2 279.7,135.2 C2202.2
